# Allegro board 1140022-KU060_PCIE_FIBER_BOARD_V001_pcb166_20240120_1835_pcb.brd (continued)
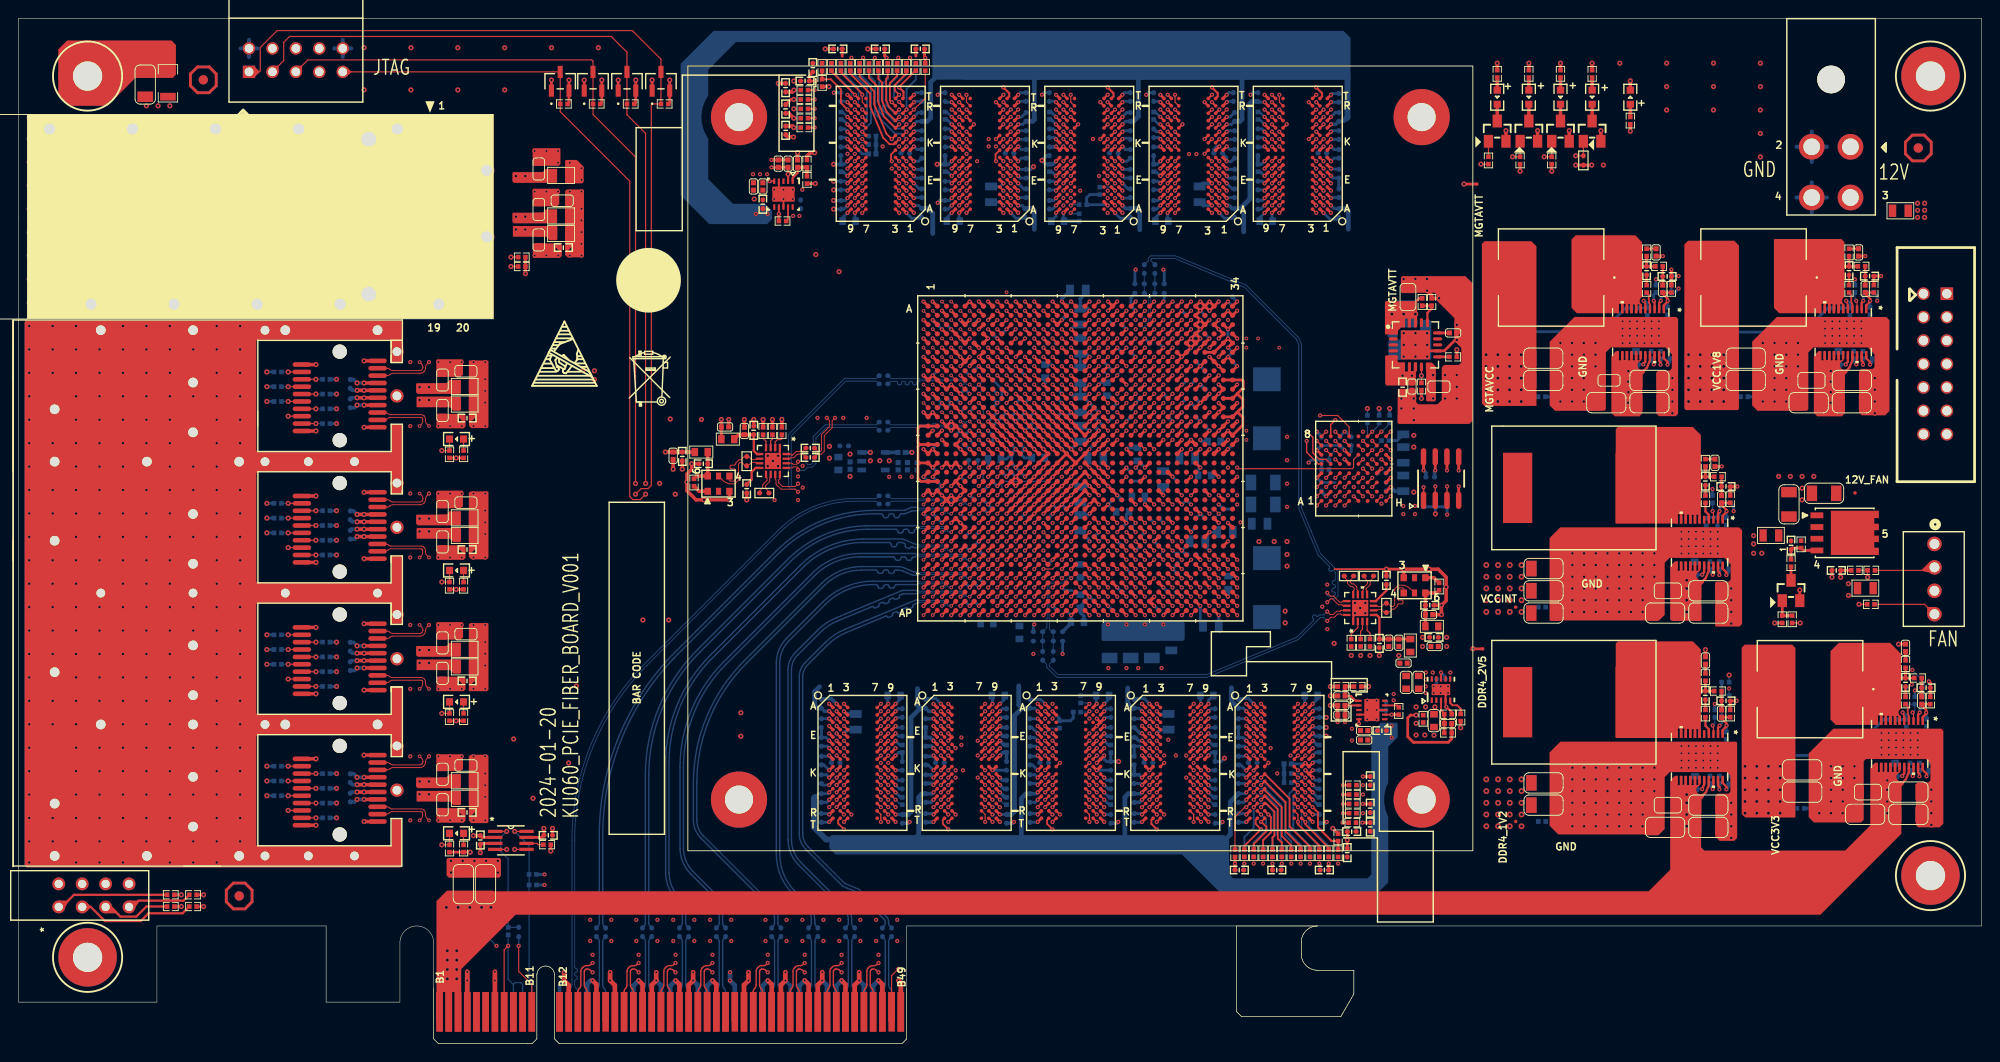
[diagram p0: board, top side]
## Routing (per net, layer and track width the routed paths; a pad name or vN(x,y) marks a point on that pad's centre or on a via; arc(x,y) is an arc through that point) (continued)
CHA_MGTAVTT_EN: length 1.3
  TOP w0.305: U110.11 R612.1
CHA_MGTAVTT_GOOD: length 28.9
  TOP w0.127: U110.9 v3(152.08,72.42) R611.2 ; R628.2 v3(158.53,95.35)
  ART10 w0.086: v3(152.08,72.42) 153.05,73.38 154.38,73.38 155.22,74.22 155.22,86.82 158.53,90.13 v3(158.53,95.35)
CHA_MGTH_227_CLK0_N: length 14
  TOP w0.102: U131.14 83.87,62.92 83.97,62.81 84.38,62.81 84.51,62.94 v1(84.51,63.09)
  BOTTOM w0.102: v1(84.51,63.09) 84.53,63.12 85.24,63.12 85.57,62.79 85.92,62.79 86.15,63.02 86.15,65.79 87.45,67.09 93.01,67.09 C79.2
CHA_MGTH_227_CLK0_P: length 14.1
  TOP w0.102: v1(84.51,62.2) 84.51,62.42 84.4,62.52 83.97,62.52 83.87,62.42 U131.13
  BOTTOM w0.102: C78.2 93.01,66.79 87.57,66.79 86.45,65.67 86.45,62.9 86.04,62.49 85.57,62.49 85.23,62.15 84.56,62.15 v1(84.51,62.2)
CHA_MGTH_228_CLK0_N: length 21.8
  TOP w0.102: U131.12 82.54,61.23 82.41,61.1 82.41,60.79 82.8,60.4 84.2,60.4 v1(84.51,60.71)
  BOTTOM w0.102: C81.2 93.01,71.82 89.68,71.82 83.77,65.91 83.77,60.51 83.87,60.41 84.21,60.41 v1(84.51,60.71)
CHA_MGTH_228_CLK0_P: length 23.2
  TOP w0.102: U131.11 82.04,61.19 82.11,61.12 82.11,60.67 82.68,60.11 84.22,60.11 v1(84.51,59.82)
  BOTTOM w0.102: C80.2 93.01,72.12 89.56,72.12 83.47,66.03 83.47,60.39 83.75,60.11 84.21,60.11 v1(84.51,59.82)
CHA_MGTVCCAUX: length 7.9
  TOP w0.305: U1.AA6 v1(103.11,59.45) ; U1.M29 v1(127.11,69.45) ; U1.K29 v1(127.11,71.45) ; U1.R6 v1(103.11,66.45)
  BOTTOM w0.305: v1(102.11,69.45) 101.62,69.94 C143.1 ; C144.1 103.61,58.95 v1(103.11,59.45) 103.6,59.95 C142.1 ; C139.1 127.58,68.98 v1(127.11,69.45) 126.64,68.98 C141.1 ; C140.1 v1(127.11,71.45) ; v1(103.11,66.45) C145.1
  vias: v1(94.39,61.45) v1(95.57,61.45) v1(96.84,61.45)
CHA_QSFP0_I2C_SCL: length 98.9
  TOP w0.127: J3.11 v1(44.04,88.66)
  TOP w0.155: U1.AK13 v1(110.11,50.45)
  ART05 w0.086: v1(44.04,88.66) 43.03,87.65 43.03,79.15 44.5,77.67 49.96,77.67 60.86,66.78 84.61,66.78 87.25,64.14 88.24,64.14 89.71,62.66 91.21,62.66 91.8,62.08 97.41,62.08 97.63,61.86 110.43,61.86 110.51,61.77 110.51,50.86 v1(110.11,50.45)
  BOTTOM w0.127: R163.2 44.01,88.7 v1(44.04,88.66)
CHA_QSFP0_I2C_SDA: length 98.9
  TOP w0.127: J3.12 v1(44.04,87.86)
  TOP w0.155: U1.AL13 v1(110.11,49.45)
  ART05 w0.086: v1(110.11,49.45) 110.7,50.05 110.7,61.87 110.52,62.05 97.92,62.05 97.46,62.51 92.1,62.51 91.67,62.94 91.67,63.25 89.61,65.3 86.69,65.3 83.19,68.81 59.77,68.81 50.34,78.23 44.63,78.23 43.43,79.43 43.43,87.26 v1(44.04,87.86)
  BOTTOM w0.127: R164.2 43.86,87.68 v1(44.04,87.86)
CHA_QSFP0_INTL: length 101.4
  TOP w0.127: J3.28 v1(49.28,89.06) ; R168.2 v3(53.39,85.27)
  TOP w0.155: U1.AN13 v1(110.11,47.45)
  ART05 w0.086: v1(111.11,54.45) 111.6,54.94 112.27,54.94 112.52,55.19 112.52,62.81 112.27,63.07 97.59,63.07 97.13,63.53 95.71,63.53 93.09,66.14 86.94,66.14 83.24,69.85 60.38,69.85 54.03,76.2 54.03,84.96 53.72,85.27 v3(53.39,85.27) 52.32,86.33 52.32,88.44 51.7,89.06 v1(49.28,89.06)
  ART10 w0.086: v1(110.11,47.45) 110.55,47.45 111.02,47.93 111.33,47.93 111.53,48.13 111.53,51.64 111.25,51.92 110.92,51.92 110.72,52.12 110.72,54.06 v1(111.11,54.45)
CHA_QSFP0_LPMODE: length 104.8
  TOP w0.127: J3.31 v1(49.28,91.46)
  TOP w0.155: U1.AP13 v1(110.11,46.45)
  ART05 w0.086: v1(49.28,91.46) 50.93,91.46 53.1,89.29 53.1,86.91 54.43,85.57 54.43,76.53 60.71,70.26 83.46,70.26 87.17,66.55 93.24,66.55 95.12,64.67 97,64.67 98.37,63.3 112.6,63.3 112.72,63.18 112.72,53.94 112.24,53.47 111.12,53.47 v1(111.11,53.45)
  ART10 w0.086: v1(111.11,53.45) 111.11,53.08 111.61,52.58 111.61,52.11 111.99,51.72 111.99,51.35 112.7,50.65 112.7,47.24 112.42,46.96 110.62,46.96 v1(110.11,46.45)
CHA_QSFP0_MODPRSL: length 101
  TOP w0.127: J3.27 v1(49.28,88.26) ; R167.2 v3(53.39,84.25)
  TOP w0.155: U1.AN12 v1(109.11,47.45)
  ART05 w0.086: v1(112.11,56.45) 111.63,56.93 111.63,62.65 111.42,62.87 97.23,62.87 96.98,63.12 95.45,63.12 92.81,65.76 86.82,65.76 83.34,69.24 60.33,69.24 53.39,76.17 v3(53.39,84.25) 52.91,84.25 51.99,85.17 51.99,88.19 51.49,88.7 50.06,88.7 49.63,88.26 v1(49.28,88.26)
  ART10 w0.086: v1(109.11,47.45) 109.11,47.78 109.58,48.24 109.58,50.75 109.78,50.95 110.26,50.95 110.52,51.21 110.52,56.64 110.74,56.87 111.69,56.87 v1(112.11,56.45)
CHA_QSFP0_MODSEIL: length 102
  TOP w0.127: J3.8 v1(44.04,91.06)
  TOP w0.155: U1.AL12 v1(109.11,49.45)
  ART05 w0.086: v1(109.11,49.45) 109.51,49.86 109.51,60.65 109.31,60.86 97.89,60.86 97.51,60.48 89.29,60.48 83.9,65.86 60.22,65.86 49.43,76.66 44.15,76.66 42.21,78.59 42.21,89.84 43.44,91.06 v1(44.04,91.06)
CHA_QSFP0_RESETL: length 101.6
  TOP w0.127: J3.9 v1(44.04,90.26)
  TOP w0.155: U1.AM12 v1(109.11,48.45)
  ART05 w0.086: v1(44.04,90.26) 43.27,90.26 42.62,89.61 42.62,78.84 44.32,77.14 49.63,77.14 60.4,66.37 84.08,66.37 89.48,60.96 97.51,60.96 97.6,61.05 109.39,61.05 109.7,60.73 109.7,49.05 v1(109.11,48.45)
CHA_QSFP0_RX0_N: length 67.6
  TOP w0.102: U1.E3 v2(100.11,76.45)
  TOP w0.356: J3.18 v2(44.04,83.06)
  ART12 w0.084: v2(100.11,76.45) 100.32,76.45 arc(100.46,76.39) 100.51,76.26 100.51,76.24 arc(100.46,76.1) 100.32,76.05 98.06,76.05 arc(97.9,76.08) 97.77,76.17 97.67,76.27 arc(97.64,76.31) 97.63,76.35 97.63,76.37 arc(97.63,76.41) 97.6,76.45 arc(97.46,76.54) 97.3,76.57 97.17,76.57 arc(97.11,76.59) 97.09,76.65 arc(97.06,76.71) 97,76.73 96.83,76.73 arc(96.77,76.71) 96.75,76.65 arc(96.73,76.59) 96.67,76.57 96.5,76.57 arc(96.44,76.59) 96.42,76.65 arc(96.39,76.71) 96.33,76.73 96.16,76.73 arc(96.1,76.71) 96.08,76.65 arc(96.06,76.59) 96,76.57 95.83,76.57 arc(95.77,76.59) 95.74,76.65 arc(95.72,76.71) 95.66,76.73 95.49,76.73 arc(95.43,76.71) 95.41,76.65 arc(95.39,76.59) 95.33,76.57 47.01,76.57 arc(45.39,76.89) 44.01,77.81 44.01,77.81 arc(43.33,78.83) 43.09,80.03 43.09,80.53 arc(43.12,80.6) 43.2,80.63 arc(43.28,80.66) 43.31,80.74 43.31,80.86 arc(43.28,80.94) 43.2,80.97 arc(43.12,81) 43.09,81.07 43.09,81.2 arc(43.12,81.27) 43.2,81.3 arc(43.28,81.33) 43.31,81.41 43.31,81.53 arc(43.28,81.61) 43.2,81.64 arc(43.12,81.67) 43.09,81.75 43.09,81.87 arc(43.12,81.94) 43.2,81.97 arc(43.28,82.01) 43.31,82.08 43.31,82.2 arc(43.28,82.28) 43.2,82.31 arc(43.12,82.34) 43.09,82.42 43.09,83.02 arc(43.17,83.21) 43.37,83.29 43.66,83.29 arc(43.8,83.26) 43.92,83.18 v2(44.04,83.06)
CHA_QSFP0_RX0_P: length 67.6
  TOP w0.102: U1.E4 v2(101.11,76.45)
  TOP w0.356: J3.17 v2(44.04,83.86)
  ART12 w0.084: v2(101.11,76.45) 100.9,76.45 arc(100.76,76.39) 100.7,76.26 100.7,76.24 arc(100.59,75.97) 100.32,75.85 98.06,75.85 arc(97.83,75.9) 97.63,76.03 97.53,76.14 arc(97.49,76.16) 97.45,76.17 97.44,76.17 arc(97.39,76.18) 97.36,76.2 97.36,76.2 arc(97.33,76.22) 97.3,76.23 47.01,76.23 arc(45.25,76.57) 43.77,77.57 arc(43.01,78.7) 42.75,80.03 42.75,83.02 arc(42.93,83.45) 43.37,83.64 43.66,83.64 arc(43.8,83.66) 43.92,83.74 v2(44.04,83.86)
CHA_QSFP0_RX1_N: length 54.3
  TOP w0.102: U1.D1 v2(98.11,77.45)
  TOP w0.356: v2(49.28,83.46) J3.21
  ART12 w0.084: v2(49.28,83.46) 49.42,83.6 arc(49.56,83.7) 49.73,83.73 50.76,83.73 arc(51.37,83.61) 51.89,83.26 54.74,80.41 arc(57.81,78.35) 61.44,77.63 93.7,77.63 arc(93.76,77.61) 93.79,77.55 arc(93.81,77.49) 93.87,77.47 94.04,77.47 arc(94.1,77.49) 94.12,77.55 arc(94.14,77.61) 94.2,77.63 94.37,77.63 arc(94.43,77.61) 94.46,77.55 arc(94.48,77.49) 94.54,77.47 94.71,77.47 arc(94.77,77.49) 94.79,77.55 arc(94.81,77.61) 94.87,77.63 95.07,77.63 arc(95.12,77.61) 95.15,77.55 arc(95.17,77.49) 95.23,77.47 95.4,77.47 arc(95.46,77.49) 95.48,77.55 arc(95.51,77.61) 95.56,77.63 95.74,77.63 arc(95.79,77.61) 95.82,77.55 arc(95.84,77.49) 95.9,77.47 96.07,77.47 arc(96.13,77.49) 96.15,77.55 arc(96.18,77.61) 96.24,77.63 96.41,77.63 arc(96.47,77.61) 96.49,77.55 arc(96.51,77.49) 96.57,77.47 96.74,77.47 arc(96.8,77.49) 96.82,77.55 arc(96.85,77.61) 96.91,77.63 97.08,77.63 arc(97.14,77.61) 97.16,77.55 arc(97.18,77.49) 97.24,77.47 97.41,77.47 arc(97.47,77.49) 97.49,77.55 arc(97.52,77.61) 97.58,77.63 97.81,77.63 arc(97.92,77.61) 98.01,77.55 v2(98.11,77.45)
CHA_QSFP0_RX1_P: length 54.3
  TOP w0.102: U1.D2 v2(99.11,77.45)
  TOP w0.356: v2(49.28,84.26) J3.22
  ART12 w0.084: v2(99.11,77.45) 99.02,77.45 arc(98.96,77.46) 98.9,77.5 98.65,77.75 arc(98.4,77.92) 98.11,77.98 61.44,77.98 arc(57.95,78.67) 54.99,80.65 52.13,83.51 arc(51.5,83.93) 50.76,84.07 49.6,84.07 arc(49.48,84.1) 49.38,84.16 v2(49.28,84.26)
CHA_QSFP0_RX2_N: length 76
  TOP w0.102: U1.B1 v2(98.11,79.45)
  TOP w0.356: v2(44.04,85.46) J3.15
  ART12 w0.084: v2(44.04,85.46) 44.16,85.58 arc(44.28,85.66) 44.42,85.69 44.76,85.69 arc(45.05,85.75) 45.3,85.91 45.55,86.16 arc(45.71,86.41) 45.77,86.7 45.77,96.22 45.77,96.22 arc(45.9,96.9) 46.29,97.47 47.36,98.54 arc(47.96,98.94) 48.67,99.09 59.97,99.09 arc(61.24,98.83) 62.31,98.12 76.14,84.28 arc(80.61,81.3) 85.88,80.25 93.04,80.25 arc(93.12,80.21) 93.16,80.13 arc(93.19,80.04) 93.28,80.01 93.37,80.01 arc(93.46,80.04) 93.49,80.13 arc(93.53,80.21) 93.61,80.25 93.71,80.25 arc(93.79,80.21) 93.83,80.13 arc(93.86,80.04) 93.95,80.01 94.05,80.01 arc(94.13,80.04) 94.16,80.13 arc(94.2,80.21) 94.28,80.25 94.38,80.25 arc(94.46,80.21) 94.5,80.13 arc(94.53,80.04) 94.62,80.01 94.72,80.01 arc(94.8,80.04) 94.84,80.13 arc(94.87,80.21) 94.95,80.25 95.05,80.25 arc(95.14,80.21) 95.17,80.13 arc(95.21,80.04) 95.29,80.01 95.39,80.01 arc(95.47,80.04) 95.51,80.13 arc(95.54,80.21) 95.63,80.25 95.8,80.25 arc(95.88,80.24) 95.96,80.22 96.47,80 97.23,79.69 97.52,79.63 97.81,79.63 arc(97.92,79.61) 98.01,79.55 v2(98.11,79.45)
CHA_QSFP0_RX2_P: length 76
  TOP w0.102: U1.B2 v2(99.11,79.45)
  TOP w0.356: v2(44.04,86.26) J3.14
  ART12 w0.084: v2(44.04,86.26) 44.16,86.14 arc(44.28,86.06) 44.42,86.04 44.76,86.04 arc(44.92,86.07) 45.05,86.16 45.3,86.41 arc(45.39,86.54) 45.43,86.7 45.43,96.22 arc(45.59,97.03) 46.04,97.71 47.12,98.79 arc(47.83,99.26) 48.67,99.43 59.97,99.43 arc(61.37,99.15) 62.55,98.36 76.39,84.53 arc(80.74,81.62) 85.88,80.59 95.8,80.59 arc(95.95,80.58) 96.09,80.54 96.47,80.38 97.33,80.02 97.55,79.98 98.12,79.98 arc(98.4,79.92) 98.64,79.77 98.9,79.5 arc(98.96,79.46) 99.02,79.45 v2(99.11,79.45)
CHA_QSFP0_RX3_N: length 76.5
  TOP w0.102: U1.A3 v2(100.11,80.45)
  TOP w0.356: J3.24 v2(49.28,85.86)
  ART12 w0.084: v2(100.11,80.45) 100.32,80.45 arc(100.46,80.39) 100.51,80.26 100.51,79.28 arc(100.44,79.11) 100.28,79.04 97.9,79.04 arc(97.86,79.05) 97.83,79.08 97.81,79.09 arc(97.78,79.11) 97.74,79.12 84.74,79.12 arc(79.69,80.12) 75.41,82.98 61.49,96.9 arc(60.3,97.7) 58.88,97.98 49.34,97.98 arc(48.7,97.86) 48.16,97.5 47.98,97.32 arc(47.53,96.64) 47.37,95.84 47.37,87.24 arc(47.71,86.43) 48.52,86.09 48.9,86.09 arc(49.04,86.06) 49.16,85.98 v2(49.28,85.86)
CHA_QSFP0_RX3_P: length 76.5
  TOP w0.102: U1.A4 v2(101.11,80.45)
  TOP w0.356: J3.25 v2(49.28,86.66)
  ART12 w0.084: v2(101.11,80.45) 100.9,80.45 arc(100.76,80.39) 100.7,80.26 100.7,79.28 arc(100.58,78.98) 100.28,78.85 97.9,78.85 arc(97.86,78.84) 97.83,78.82 97.81,78.81 arc(97.78,78.78) 97.74,78.78 84.74,78.78 arc(79.56,79.81) 75.17,82.74 61.25,96.66 arc(60.16,97.38) 58.88,97.64 49.34,97.64 arc(48.83,97.54) 48.41,97.25 48.23,97.07 arc(47.85,96.51) 47.72,95.84 47.72,89.49 arc(47.75,89.41) 47.84,89.37 arc(47.92,89.34) 47.96,89.25 47.96,89.16 arc(47.92,89.07) 47.84,89.04 arc(47.75,89) 47.72,88.92 47.72,88.82 arc(47.75,88.74) 47.84,88.7 arc(47.92,88.67) 47.96,88.58 47.96,88.49 arc(47.92,88.4) 47.84,88.37 arc(47.75,88.33) 47.72,88.25 47.72,88.15 arc(47.75,88.07) 47.84,88.03 arc(47.92,88) 47.96,87.91 47.96,87.82 arc(47.92,87.73) 47.84,87.7 arc(47.75,87.66) 47.72,87.58 47.72,87.24 arc(47.95,86.67) 48.52,86.44 48.9,86.44 arc(49.04,86.46) 49.16,86.54 v2(49.28,86.66)
CHA_QSFP0_TX0_N: length 68.8
  TOP w0.102: U1.F5 v2(102.11,75.45)
  TOP w0.356: v2(49.28,96.26) J3.37
  ART10 w0.084: v2(49.28,96.26) 49.16,96.14 arc(49.04,96.06) 48.9,96.04 48.66,96.04 arc(48.6,96.05) 48.56,96.08 48.54,96.1 arc(48.52,96.12) 48.51,96.15 48.51,97.16 arc(48.64,97.45) 48.93,97.57 59.06,97.57 arc(60.15,97.35) 61.07,96.74 74.6,83.21 arc(81.74,78.44) 90.16,76.77 93.95,76.77 arc(94.03,76.73) 94.07,76.65 arc(94.1,76.56) 94.18,76.53 94.28,76.53 arc(94.37,76.56) 94.4,76.65 arc(94.44,76.73) 94.52,76.77 94.62,76.77 arc(94.7,76.73) 94.74,76.65 arc(94.77,76.56) 94.85,76.53 94.95,76.53 arc(95.04,76.56) 95.07,76.65 arc(95.11,76.73) 95.19,76.77 95.29,76.77 arc(95.37,76.73) 95.41,76.65 arc(95.44,76.56) 95.52,76.53 95.62,76.53 arc(95.71,76.56) 95.74,76.65 arc(95.78,76.73) 95.86,76.77 95.96,76.77 arc(96.04,76.73) 96.08,76.65 arc(96.11,76.56) 96.2,76.53 96.3,76.53 arc(96.38,76.56) 96.41,76.65 arc(96.45,76.73) 96.53,76.77 96.63,76.77 arc(96.71,76.73) 96.75,76.65 arc(96.78,76.56) 96.87,76.53 96.97,76.53 arc(97.05,76.56) 97.08,76.65 arc(97.12,76.73) 97.2,76.77 97.48,76.77 arc(97.52,76.77) 97.56,76.8 97.57,76.81 arc(97.61,76.83) 97.65,76.84 102.24,76.84 arc(102.43,76.76) 102.51,76.57 102.51,75.65 arc(102.46,75.51) 102.32,75.45 v2(102.11,75.45)
CHA_QSFP0_TX0_P: length 68.8
  TOP w0.102: U1.F6 v2(103.11,75.45)
  TOP w0.356: v2(49.28,95.46) J3.36
  ART10 w0.084: v2(49.28,95.46) 49.16,95.58 arc(49.04,95.66) 48.9,95.69 48.66,95.69 arc(48.47,95.73) 48.31,95.83 48.29,95.85 arc(48.2,95.99) 48.17,96.15 48.17,97.16 arc(48.39,97.69) 48.93,97.92 59.06,97.92 arc(60.28,97.67) 61.32,96.98 74.85,83.45 arc(81.87,78.76) 90.16,77.11 97.48,77.11 arc(97.52,77.1) 97.56,77.08 97.57,77.07 arc(97.61,77.04) 97.65,77.03 102.24,77.03 arc(102.57,76.9) 102.7,76.57 102.7,75.64 arc(102.76,75.51) 102.9,75.45 v2(103.11,75.45)
CHA_QSFP0_TX1_N: length 75
  TOP w0.102: U1.D5 v2(102.11,77.45)
  TOP w0.356: v2(44.04,95.86) J3.2
  ART10 w0.084: v2(102.11,77.45) 102.32,77.45 arc(102.46,77.51) 102.51,77.65 102.51,78.53 arc(102.42,78.75) 102.2,78.84 101.96,78.84 arc(101.64,78.97) 101.51,79.3 101.51,79.7 arc(101.5,79.75) 101.47,79.79 101.46,79.8 arc(101.42,79.83) 101.37,79.84 97.76,79.84 arc(97.72,79.83) 97.69,79.81 97.67,79.8 arc(97.64,79.77) 97.6,79.77 96.33,79.77 arc(96.25,79.73) 96.21,79.65 arc(96.18,79.56) 96.1,79.53 96,79.53 arc(95.91,79.56) 95.88,79.65 arc(95.84,79.73) 95.76,79.77 95.66,79.77 arc(95.58,79.73) 95.54,79.65 arc(95.51,79.56) 95.43,79.53 95.33,79.53 arc(95.24,79.56) 95.21,79.65 arc(95.17,79.73) 95.09,79.77 94.99,79.77 arc(94.91,79.73) 94.87,79.65 arc(94.84,79.56) 94.75,79.53 94.66,79.53 arc(94.57,79.56) 94.54,79.65 arc(94.5,79.73) 94.42,79.77 94.32,79.77 arc(94.24,79.73) 94.2,79.65 arc(94.17,79.56) 94.08,79.53 93.99,79.53 arc(93.9,79.56) 93.87,79.65 arc(93.83,79.73) 93.75,79.77 93.65,79.77 arc(93.57,79.73) 93.53,79.65 arc(93.5,79.56) 93.41,79.53 93.32,79.53 arc(93.23,79.56) 93.2,79.65 arc(93.16,79.73) 93.08,79.77 92.27,79.77 arc(84.13,81.38) 77.23,86 65.63,97.59 arc(62.7,99.55) 59.23,100.24 47.68,100.24 arc(46.84,100.07) 46.13,99.6 43.61,97.07 arc(43.52,96.94) 43.48,96.78 43.48,95.79 arc(43.53,95.68) 43.64,95.64 43.66,95.64 arc(43.8,95.66) 43.92,95.74 v2(44.04,95.86)
CHA_QSFP0_TX1_P: length 75.1
  TOP w0.102: U1.D6 v2(103.11,77.45)
  TOP w0.356: v2(44.04,95.06) J3.3
  ART10 w0.084: v2(103.11,77.45) 102.9,77.45 arc(102.76,77.51) 102.7,77.64 102.7,78.53 arc(102.56,78.89) 102.2,79.03 101.96,79.03 arc(101.78,79.11) 101.7,79.3 101.7,79.7 arc(101.68,79.82) 101.61,79.93 101.59,79.94 arc(101.49,80.01) 101.37,80.03 97.76,80.03 arc(97.72,80.04) 97.69,80.07 97.67,80.08 arc(97.64,80.1) 97.6,80.11 92.27,80.11 arc(84.26,81.7) 77.47,86.24 65.88,97.83 arc(62.83,99.87) 59.23,100.58 47.68,100.58 arc(46.71,100.39) 45.89,99.84 43.36,97.32 arc(43.2,97.07) 43.14,96.78 43.14,95.79 arc(43.29,95.44) 43.64,95.29 43.66,95.29 arc(43.8,95.26) 43.92,95.18 v2(44.04,95.06)
CHA_QSFP0_TX2_N: length 71.5
  TOP w0.102: U1.C3 v2(100.11,78.45)
  TOP w0.356: v2(49.28,93.86) J3.34
  ART10 w0.084: v2(100.11,78.45) 100.36,78.45 arc(100.42,78.46) 100.46,78.49 100.47,78.5 arc(100.5,78.55) 100.51,78.6 100.51,78.66 arc(100.5,78.73) 100.46,78.79 100.44,78.8 arc(100.39,78.84) 100.32,78.85 97.91,78.85 97.83,78.78 97.48,78.78 arc(97.36,78.75) 97.26,78.69 97.15,78.58 arc(97.07,78.51) 96.98,78.45 arc(96.84,78.4) 96.69,78.38 96.44,78.38 arc(96.37,78.35) 96.34,78.28 arc(96.31,78.21) 96.24,78.18 96.11,78.18 arc(96.04,78.21) 96.01,78.28 arc(95.98,78.35) 95.9,78.38 95.77,78.38 arc(95.7,78.35) 95.67,78.28 arc(95.64,78.21) 95.57,78.18 95.44,78.18 arc(95.37,78.21) 95.34,78.28 arc(95.31,78.35) 95.23,78.38 95.1,78.38 arc(95.03,78.35) 95,78.28 arc(94.97,78.21) 94.9,78.18 94.77,78.18 arc(94.69,78.21) 94.67,78.28 arc(94.64,78.35) 94.56,78.38 94.43,78.38 arc(94.36,78.35) 94.33,78.28 arc(94.3,78.21) 94.23,78.18 94.1,78.18 arc(94.02,78.21) 93.99,78.28 arc(93.96,78.35) 93.89,78.38 93.76,78.38 arc(93.69,78.35) 93.66,78.28 arc(93.63,78.21) 93.56,78.18 93.43,78.18 arc(93.35,78.21) 93.32,78.28 arc(93.29,78.35) 93.22,78.38 93.09,78.38 arc(93.02,78.35) 92.99,78.28 arc(92.96,78.21) 92.89,78.18 92.75,78.18 arc(92.68,78.21) 92.65,78.28 arc(92.62,78.35) 92.55,78.38 91.1,78.38 arc(82.99,80) 76.11,84.59 63.77,96.93 arc(61.49,98.46) 58.8,98.99 49.08,98.99 arc(48.48,98.87) 47.97,98.53 47.42,97.98 arc(47.18,97.62) 47.09,97.2 47.09,94.35 arc(47.14,94.1) 47.28,93.89 47.38,93.8 arc(47.55,93.68) 47.77,93.64 48.9,93.64 arc(49.04,93.66) 49.16,93.74 v2(49.28,93.86)
CHA_QSFP0_TX2_P: length 71.5
  TOP w0.102: U1.C4 v2(101.11,78.45)
  TOP w0.356: v2(49.28,93.06) J3.33
  ART10 w0.084: v2(49.28,93.06) 49.16,93.18 arc(49.04,93.26) 48.9,93.29 47.77,93.29 arc(47.42,93.36) 47.13,93.55 47.04,93.65 arc(46.82,93.97) 46.75,94.35 46.75,97.2 arc(46.86,97.75) 47.17,98.23 47.72,98.78 arc(48.35,99.19) 49.08,99.34 58.8,99.34 arc(61.62,98.78) 64.02,97.18 76.36,84.84 arc(83.12,80.32) 91.1,78.73 96.55,78.73 arc(96.79,78.78) 97,78.92 97.01,78.93 arc(97.23,79.07) 97.48,79.12 97.83,79.12 97.91,79.05 100.32,79.05 arc(100.46,79.02) 100.58,78.94 100.6,78.92 arc(100.68,78.8) 100.7,78.66 100.7,78.6 arc(100.72,78.55) 100.74,78.5 100.76,78.49 arc(100.8,78.46) 100.85,78.45 v2(101.11,78.45)
CHA_QSFP0_TX3_N: length 79
  TOP w0.102: U1.B5 v2(102.11,79.45)
  TOP w0.356: v2(44.04,93.46) J3.5
  ART10 w0.084: v2(44.04,93.46) 43.92,93.34 arc(43.8,93.26) 43.66,93.24 43.55,93.24 arc(43.39,93.27) 43.25,93.36 42.54,94.07 arc(42.45,94.21) 42.42,94.37 42.42,97.52 arc(42.45,97.68) 42.54,97.81 45.39,100.67 arc(46.2,101.21) 47.16,101.4 59.79,101.4 arc(63.82,100.6) 67.24,98.31 78.47,87.09 arc(84.92,82.77) 92.54,81.25 97.95,81.25 arc(98.06,81.21) 98.11,81.1 arc(98.15,80.99) 98.26,80.95 98.29,80.95 arc(98.4,80.99) 98.44,81.1 arc(98.49,81.21) 98.59,81.25 98.62,81.25 arc(98.73,81.21) 98.78,81.1 arc(98.82,80.99) 98.93,80.95 98.96,80.95 arc(99.07,80.99) 99.11,81.1 arc(99.16,81.21) 99.26,81.25 99.29,81.25 arc(99.4,81.21) 99.45,81.1 arc(99.49,80.99) 99.6,80.95 99.63,80.95 arc(99.74,80.99) 99.78,81.1 arc(99.83,81.21) 99.93,81.25 99.97,81.25 arc(100.07,81.21) 100.12,81.1 arc(100.16,80.99) 100.27,80.95 100.3,80.95 arc(100.41,80.99) 100.45,81.1 arc(100.5,81.21) 100.61,81.25 100.64,81.25 arc(100.74,81.21) 100.79,81.1 arc(100.83,80.99) 100.94,80.95 100.97,80.95 arc(101.08,80.99) 101.12,81.1 arc(101.17,81.21) 101.28,81.25 101.39,81.25 arc(101.51,81.24) 101.62,81.2 arc(101.82,81.02) 101.89,80.76 101.89,80.75 arc(101.95,80.47) 102.11,80.23 102.25,80.09 arc(102.34,79.89) 102.28,79.68 v2(102.11,79.45)
CHA_QSFP0_TX3_P: length 79
  TOP w0.102: U1.B6 v2(103.11,79.45)
  TOP w0.356: v2(44.04,92.66) J3.6
  ART10 w0.084: v2(44.04,92.66) 43.92,92.78 arc(43.8,92.86) 43.66,92.89 43.55,92.89 arc(43.26,92.95) 43.01,93.11 42.3,93.83 arc(42.13,94.07) 42.07,94.37 42.07,97.52 arc(42.13,97.81) 42.3,98.05 45.15,100.91 arc(46.07,101.53) 47.16,101.74 59.79,101.74 arc(63.95,100.91) 67.48,98.56 78.71,87.33 arc(85.06,83.09) 92.54,81.6 101.39,81.6 arc(101.59,81.58) 101.77,81.51 arc(102.11,81.2) 102.23,80.76 102.23,80.75 arc(102.27,80.6) 102.35,80.47 102.69,80.13 arc(102.76,80.03) 102.78,79.92 102.78,79.9 arc(102.8,79.79) 102.87,79.69 v2(103.11,79.45)
CHA_QSFP0_VCCI: length 3.8
  TOP w0.305: J3.30 v1(49.28,90.66) v1(49.94,90.66)
  BOTTOM w0.381: v1(49.94,90.66) v1(49.28,90.66) 48.61,90.66 C364.1
  vias: v3(53.92,89.66) v3(54.94,89.66)
CHA_QSFP0_VCCRX: length 3.7
  TOP w0.305: v3(43.29,89.46) v1(44.04,89.46) J3.10
  BOTTOM w0.381: v1(44.04,89.46) v3(43.29,89.46) 43.13,89.62 C356.1
  vias: v3(53.92,94.06) v3(54.94,94.06)
CHA_QSFP0_VCCTX: length 3.8
  TOP w0.305: J3.29 v1(49.28,89.86) v1(49.94,89.86)
  BOTTOM w0.381: v1(49.94,89.86) v1(49.28,89.86) 48.7,89.86 C360.1
  vias: v3(53.92,88.27) v3(54.94,88.27)
CHA_ROVP: length 3
  TOP w0.203: U111.5 176.36,80.18 176.24,80.47 v1(176.17,80.54)
  BOTTOM w0.203: R933.1 R928.2
  BOTTOM w0.254: v1(176.17,80.54) 176.32,80.54 176.58,80.28 R928.2
CHA_SFP0_VCCRX: length 3.8
  TOP w0.381: P1.A15 v3(37.47,70.02) v3(36.71,70.02)
  BOTTOM w0.381: v3(37.47,70.02) v3(36.71,70.02) 36.09,70.02 C374.1
  vias: v3(43.48,69.78) v3(44.5,69.78)
CHA_SFP0_VCCTX: length 3.8
  TOP w0.381: v3(36.71,70.82) v3(37.47,70.82) P1.A16
  BOTTOM w0.381: v3(37.47,70.82) v3(36.71,70.82) 36.2,70.82 C378.1
  vias: v3(43.48,71.17) v3(44.5,71.17)
CHA_SFP1_VCCRX: length 3.8
  TOP w0.381: P1.B15 v3(37.47,55.77) v3(36.71,55.77)
  BOTTOM w0.381: C1568.1 36.09,55.77 v3(36.71,55.77) v3(37.47,55.77)
  vias: v3(43.48,55.53) v3(44.5,55.53)
CHA_SFP1_VCCTX: length 3.8
  TOP w0.381: P1.B16 v3(37.47,56.57) v3(36.71,56.57)
  BOTTOM w0.381: v3(37.47,56.57) v3(36.71,56.57) 36.2,56.57 C1570.1
  vias: v3(43.48,56.92) v3(44.5,56.92)
CHA_SFP2_VCCRX: length 3.8
  TOP w0.381: v3(36.71,41.52) v3(37.47,41.52) P1.C15
  BOTTOM w0.381: v3(37.47,41.52) v3(36.71,41.52) 36.09,41.52 C1574.1
  vias: v3(43.48,41.28) v3(44.5,41.28)
CHA_SFP2_VCCTX: length 3.8
  TOP w0.381: v3(36.71,42.32) v3(37.47,42.32) P1.C16
  BOTTOM w0.381: v3(37.47,42.32) v3(36.71,42.32) 36.2,42.32 C1576.1
  vias: v3(43.48,42.67) v3(44.5,42.67)
CHA_SFP3_VCCRX: length 3.8
  TOP w0.381: P1.D15 v3(37.47,27.27) v3(36.71,27.27)
  BOTTOM w0.381: v3(37.47,27.27) v3(36.71,27.27) 36.09,27.27 C2509.1
  vias: v3(43.48,27.03) v3(44.5,27.03)
CHA_SFP3_VCCTX: length 3.8
  TOP w0.381: v3(36.71,28.07) v3(37.47,28.07) P1.D16
  BOTTOM w0.381: v3(37.47,28.07) v3(36.71,28.07) 36.2,28.07 C2511.1
  vias: v3(43.48,28.42) v3(44.5,28.42)
CHA_SFP+_0_LOS: length 86.6
  TOP w0.127: P1.A8 29.24,68.02 v3(29.24,68.02) ; DS4.2 46.73,65.55 R181.2 v3(45.89,64.3)
  TOP w0.155: U1.AD9 v1(106.11,56.45)
  ART05 w0.086: v3(29.24,68.02) 29.49,67.77 32.72,67.77 33.81,66.67 36.47,66.67 37.19,65.96 44.22,65.96 v3(45.89,64.3) 57.19,64.3 63.93,57.56 97.54,57.56 97.84,57.86 105.41,57.86 105.51,57.76 105.51,57.18 105.89,56.8 105.89,56.8 106.11,56.58 v1(106.11,56.45)
CHA_SFP+_0_MOD_DETECT: length 86.7
  TOP w0.127: v3(29.24,69.62) 29.24,69.62 P1.A6
  TOP w0.155: U1.AD10 v1(107.11,56.45)
  ART05 w0.086: v3(29.24,69.62) 29.24,69.59 30.66,68.17 33.45,68.17 33.86,67.77 54.51,67.77 64.34,57.94 97.21,57.94 97.33,58.06 105.49,58.06 105.69,57.86 105.69,57.85 105.7,57.84 105.7,57.26 105.96,57 106.56,57 v1(107.11,56.45)
  BOTTOM w0.127: R177.2 v3(29.24,69.62)
CHA_SFP+_0_RS0: length 2.2
  TOP w0.127: v3(32.24,68.82) P1.A7
  BOTTOM w0.127: R178.2 v3(32.24,68.82)
CHA_SFP+_0_RS1: length 2.2
  TOP w0.127: v3(32.24,67.22) P1.A9
  BOTTOM w0.127: R180.2 v3(32.24,67.22)
CHA_SFP+_0_RXD_N: length 65.1
  TOP w0.102: U1.F1 v2(98.11,75.45) ; P1.A12 39.68,67.62 arc(39.85,67.66) 39.99,67.75 40,67.77 arc(40.15,67.86) 40.31,67.89 43.65,67.89 arc(43.71,67.88) 43.76,67.85 43.77,67.83 arc(43.8,67.79) 43.81,67.73 43.81,67.51 arc(43.77,67.3) 43.66,67.13 v2(43.48,66.95)
  ART12 w0.084: v2(98.11,75.45) 98.01,75.36 arc(97.92,75.29) 97.81,75.27 97.58,75.27 arc(97.5,75.3) 97.47,75.38 arc(97.43,75.46) 97.36,75.49 97.24,75.49 arc(97.16,75.46) 97.13,75.38 arc(97.1,75.3) 97.02,75.27 96.91,75.27 arc(96.83,75.3) 96.8,75.38 arc(96.76,75.46) 96.69,75.49 96.57,75.49 arc(96.49,75.46) 96.46,75.38 arc(96.43,75.3) 96.35,75.27 96.23,75.27 arc(96.16,75.3) 96.13,75.38 arc(96.09,75.46) 96.02,75.49 95.9,75.49 arc(95.82,75.46) 95.79,75.38 arc(95.76,75.3) 95.68,75.27 95.56,75.27 arc(95.49,75.3) 95.45,75.38 arc(95.42,75.46) 95.35,75.49 95.23,75.49 arc(95.15,75.46) 95.12,75.38 arc(95.09,75.3) 95.01,75.27 74.15,75.27 arc(69.1,74.27) 64.82,71.4 arc(61.43,69.14) 57.43,68.34 44.77,68.34 arc(44.48,68.28) 44.24,68.12 44.04,67.93 arc(43.88,67.68) 43.82,67.39 43.82,67.04 arc(43.8,66.98) 43.74,66.95 v2(43.48,66.95)
CHA_SFP+_0_RXD_P: length 65.1
  TOP w0.102: U1.F2 v2(99.11,75.45) ; v2(44.5,66.95) 44.3,67.16 arc(44.16,67.37) 44.11,67.61 44.11,67.73 arc(44.08,67.9) 43.98,68.04 43.96,68.06 arc(43.82,68.16) 43.65,68.19 40.3,68.19 arc(40.15,68.22) 40.03,68.3 40.02,68.31 arc(39.9,68.39) 39.75,68.42 P1.A13
  ART12 w0.084: v2(99.11,75.45) 99.02,75.45 arc(98.96,75.44) 98.9,75.4 98.65,75.15 arc(98.4,74.98) 98.11,74.92 74.15,74.92 arc(69.23,73.95) 65.06,71.16 arc(61.56,68.82) 57.43,68 44.77,68 arc(44.62,67.96) 44.48,67.87 44.29,67.68 arc(44.2,67.55) 44.17,67.39 44.17,67.04 arc(44.19,66.98) 44.25,66.95 v2(44.5,66.95)
CHA_SFP+_0_SCL: length 88.8
  TOP w0.127: P1.A5 v3(32.24,70.42)
  TOP w0.155: v1(108.11,53.45) U1.AG11
  ART05 w0.086: v3(32.24,70.42) 32.93,70.42 33.63,69.72 35.03,69.72 36.17,68.58 55.17,68.58 59.09,64.67 83.65,64.67 89.28,59.05 107.5,59.05 107.7,58.85 107.7,53.86 v1(108.11,53.45)
  BOTTOM w0.127: R176.2 v3(32.24,70.42)
CHA_SFP+_0_SDA: length 93.3
  TOP w0.127: P1.A4 29.24,71.22 v3(29.24,71.22)
  TOP w0.155: U1.AH11 v1(108.11,52.45)
  ART05 w0.086: v1(108.11,52.45) 108.11,52.6 107.51,53.19 107.51,58.77 107.43,58.85 97.51,58.85 97.08,58.42 64.62,58.42 54.86,68.17 34.01,68.17 32.56,69.62 31.39,69.62 29.79,71.22 v3(29.24,71.22)
  BOTTOM w0.127: R175.2 v3(29.24,71.22)
CHA_SFP+_0_TX_DISABLE: length 96.4
  TOP w0.127: P1.A3 v3(32.24,72.02)
  TOP w0.155: U1.AM11 v1(108.11,48.45)
  ART05 w0.086: v1(108.11,48.45) 108.51,48.86 108.51,59.6 108.25,59.86 97.7,59.86 97.38,59.54 89.34,59.54 83.8,65.07 59.54,65.07 52.02,72.59 32.82,72.59 v3(32.24,72.02)
  BOTTOM w0.127: R174.2 v3(32.24,72.02)
CHA_SFP+_0_TX_FAULT: length 97.4
  TOP w0.127: P1.A2 29.24,72.82 v3(29.24,72.82)
  TOP w0.155: U1.AK12 v1(109.11,50.45)
  ART05 w0.086: v3(29.24,72.82) 29.36,72.95 52.45,72.95 59.96,65.44 83.88,65.44 89.4,59.92 97.26,59.92 97.38,60.05 108.33,60.05 108.7,59.67 108.7,50.86 v1(109.11,50.45)
  BOTTOM w0.127: R173.2 v3(29.24,72.82)
CHA_SFP+_0_TXD_N: length 65.5
  TOP w0.102: P1.A19 39.99,73.22 arc(40.14,73.19) 40.27,73.1 40.29,73.09 arc(40.42,73) 40.58,72.97 43.52,72.97 arc(43.64,72.99) 43.73,73.06 43.76,73.08 arc(43.82,73.17) 43.84,73.28 43.84,73.36 arc(43.81,73.52) 43.72,73.66 v2(43.48,73.89) ; U1.G3 v2(100.11,74.45)
  ART10 w0.084: v2(100.11,74.45) 100.32,74.45 arc(100.46,74.4) 100.51,74.26 100.51,74.24 arc(100.46,74.11) 100.32,74.05 97.82,74.05 arc(97.78,74.06) 97.75,74.08 97.73,74.09 arc(97.7,74.12) 97.66,74.13 97.38,74.13 arc(97.32,74.15) 97.29,74.22 arc(97.26,74.29) 97.19,74.31 97.05,74.31 arc(96.98,74.29) 96.95,74.22 arc(96.93,74.15) 96.86,74.13 58.01,74.13 arc(57.93,74.13) 57.85,74.16 56.52,74.71 arc(55.38,75.06) 54.19,75.17 44.44,75.17 arc(44,74.99) 43.82,74.56 43.82,74.45 arc(43.78,74.24) 43.66,74.06 v2(43.48,73.89)
CHA_SFP+_0_TXD_P: length 65.5
  TOP w0.102: U1.G4 v2(101.11,74.45) ; v1(44.5,73.89) 44.3,73.69 arc(44.18,73.51) 44.14,73.29 44.14,73.28 arc(44.09,73.06) 43.96,72.87 43.94,72.85 arc(43.75,72.72) 43.52,72.67 40.57,72.67 arc(40.42,72.64) 40.29,72.56 40.27,72.54 arc(40.14,72.45) 39.99,72.42 P1.A18
  ART10 w0.084: v1(44.5,73.89) 44.33,74.06 arc(44.21,74.24) 44.17,74.45 44.17,74.56 arc(44.24,74.75) 44.44,74.83 54.19,74.83 arc(55.31,74.72) 56.38,74.39 57.72,73.84 arc(57.86,73.8) 58.01,73.78 arc(58.01,73.78) 58.01,73.78 97.66,73.78 arc(97.7,73.79) 97.73,73.81 97.75,73.82 arc(97.78,73.85) 97.82,73.86 100.32,73.86 arc(100.59,73.97) 100.7,74.24 100.7,74.26 arc(100.76,74.39) 100.9,74.45 v2(101.11,74.45)
CHA_SFP+_1_LOS: length 86.4
  TOP w0.127: P1.B8 29.24,53.77 v3(29.24,53.77) ; DS12.2 46.73,51.3 R1016.2 v3(45.89,50.05)
  TOP w0.155: U1.AG10 v1(107.11,53.45)
  ART05 w0.086: v1(107.11,53.45) 106.71,53.85 106.12,53.85 105.56,54.41 105.56,54.58 105.29,54.86 97.86,54.86 97.61,54.61 59.13,54.61 56.54,52.02 47.86,52.02 v3(45.89,50.05) 43.97,51.97 35.76,51.97 35.31,52.43 33.81,52.43 32.71,53.52 29.49,53.52 v3(29.24,53.77)
CHA_SFP+_1_MOD_DETECT: length 81.5
  TOP w0.127: v3(29.24,55.37) 29.24,55.37 P1.B6
  TOP w0.155: U1.AF9 v1(106.11,54.45)
  ART05 w0.086: v1(106.11,54.45) 105.51,55.05 58.8,55.05 57.27,53.52 33.73,53.52 33.25,54 30.58,54 29.24,55.34 v3(29.24,55.37)
  BOTTOM w0.127: R1017.2 v3(29.24,55.37)
CHA_SFP+_1_RS0: length 2.2
  TOP w0.127: v3(32.24,54.57) P1.B7
  BOTTOM w0.127: R1014.2 v3(32.24,54.57)
CHA_SFP+_1_RS1: length 2.2
  TOP w0.127: v3(32.24,52.97) P1.B9
  BOTTOM w0.127: R1015.2 v3(32.24,52.97)
CHA_SFP+_1_RXD_N: length 70.6
  TOP w0.102: v2(43.48,52.7) 43.66,52.88 arc(43.77,53.05) 43.81,53.26 43.81,53.48 arc(43.8,53.54) 43.77,53.58 43.76,53.6 arc(43.71,53.63) 43.65,53.64 40.36,53.64 arc(40.2,53.61) 40.05,53.52 40.04,53.5 arc(39.9,53.41) 39.73,53.37 P1.B12 ; U1.H1 v2(98.11,73.45)
  ART12 w0.084: v2(43.48,52.7) 43.74,52.7 43.82,52.79 43.82,53.39 arc(44,53.81) 44.42,53.99 49.64,53.99 arc(51.35,54.33) 52.8,55.3 66.55,69.05 arc(71.23,72.17) 76.75,73.27 94.97,73.27 arc(95.06,73.31) 95.09,73.39 arc(95.13,73.47) 95.21,73.51 95.31,73.51 arc(95.39,73.47) 95.43,73.39 arc(95.46,73.31) 95.55,73.27 95.64,73.27 arc(95.73,73.31) 95.76,73.39 arc(95.8,73.47) 95.88,73.51 95.98,73.51 arc(96.06,73.47) 96.1,73.39 arc(96.13,73.31) 96.22,73.27 96.31,73.27 arc(96.4,73.31) 96.43,73.39 arc(96.47,73.47) 96.55,73.51 96.65,73.51 arc(96.73,73.47) 96.77,73.39 arc(96.8,73.31) 96.89,73.27 96.99,73.27 arc(97.07,73.31) 97.1,73.39 arc(97.14,73.47) 97.22,73.51 97.32,73.51 arc(97.4,73.47) 97.44,73.39 arc(97.47,73.31) 97.56,73.27 97.81,73.27 arc(97.92,73.29) 98.01,73.36 v2(98.11,73.45)
CHA_SFP+_1_RXD_P: length 70.5
  TOP w0.102: U1.H2 v2(99.11,73.45) ; v2(44.5,52.7) 44.3,52.91 arc(44.16,53.12) 44.11,53.36 44.11,53.48 arc(44.08,53.65) 43.98,53.79 43.96,53.81 arc(43.82,53.91) 43.65,53.94 40.37,53.94 arc(40.23,53.97) 40.11,54.05 40.1,54.06 arc(39.97,54.14) 39.83,54.17 P1.B13
  ART12 w0.084: v2(99.11,73.45) 99.02,73.45 arc(98.96,73.44) 98.9,73.4 98.65,73.15 arc(98.4,72.98) 98.11,72.92 76.75,72.92 arc(71.36,71.85) 66.8,68.8 53.05,55.06 arc(51.49,54.01) 49.64,53.64 44.42,53.64 arc(44.24,53.57) 44.17,53.39 44.17,52.79 44.25,52.7 v2(44.5,52.7)
CHA_SFP+_1_SCL: length 77.4
  TOP w0.127: P1.B5 v3(32.24,56.17)
  TOP w0.155: v1(105.11,56.45) U1.AD8
  ART05 w0.086: v1(105.11,56.45) 104.7,56.05 58.61,56.05 56.97,54.41 36.09,54.41 35.03,55.47 34.01,55.47 33.31,56.17 v3(32.24,56.17)
  BOTTOM w0.127: R1013.2 v3(32.24,56.17)
CHA_SFP+_1_SDA: length 81
  TOP w0.127: P1.B4 29.24,56.97 v3(29.24,56.97)
  TOP w0.155: U1.AE8 v1(105.11,55.45)
  ART05 w0.086: v3(29.24,56.97) 30.35,56.97 31.85,55.47 32.49,55.47 33.96,54 57.14,54 58.72,55.58 97.64,55.58 97.92,55.86 104.7,55.86 v1(105.11,55.45)
  BOTTOM w0.127: R1012.2 v3(29.24,56.97)
CHA_SFP+_1_TX_DISABLE: length 80.6
  TOP w0.127: v3(32.24,57.77) P1.B3
  TOP w0.155: v1(107.11,54.45) U1.AF10
  ART05 w0.086: v3(32.24,57.77) 32.82,58.34 57.15,58.34 58.88,56.62 97.65,56.62 97.89,56.86 105.3,56.86 105.51,56.65 105.51,55.45 105.99,54.97 106.59,54.97 v1(107.11,54.45)